# KiCad board pcb.kicad_pcb (continued)
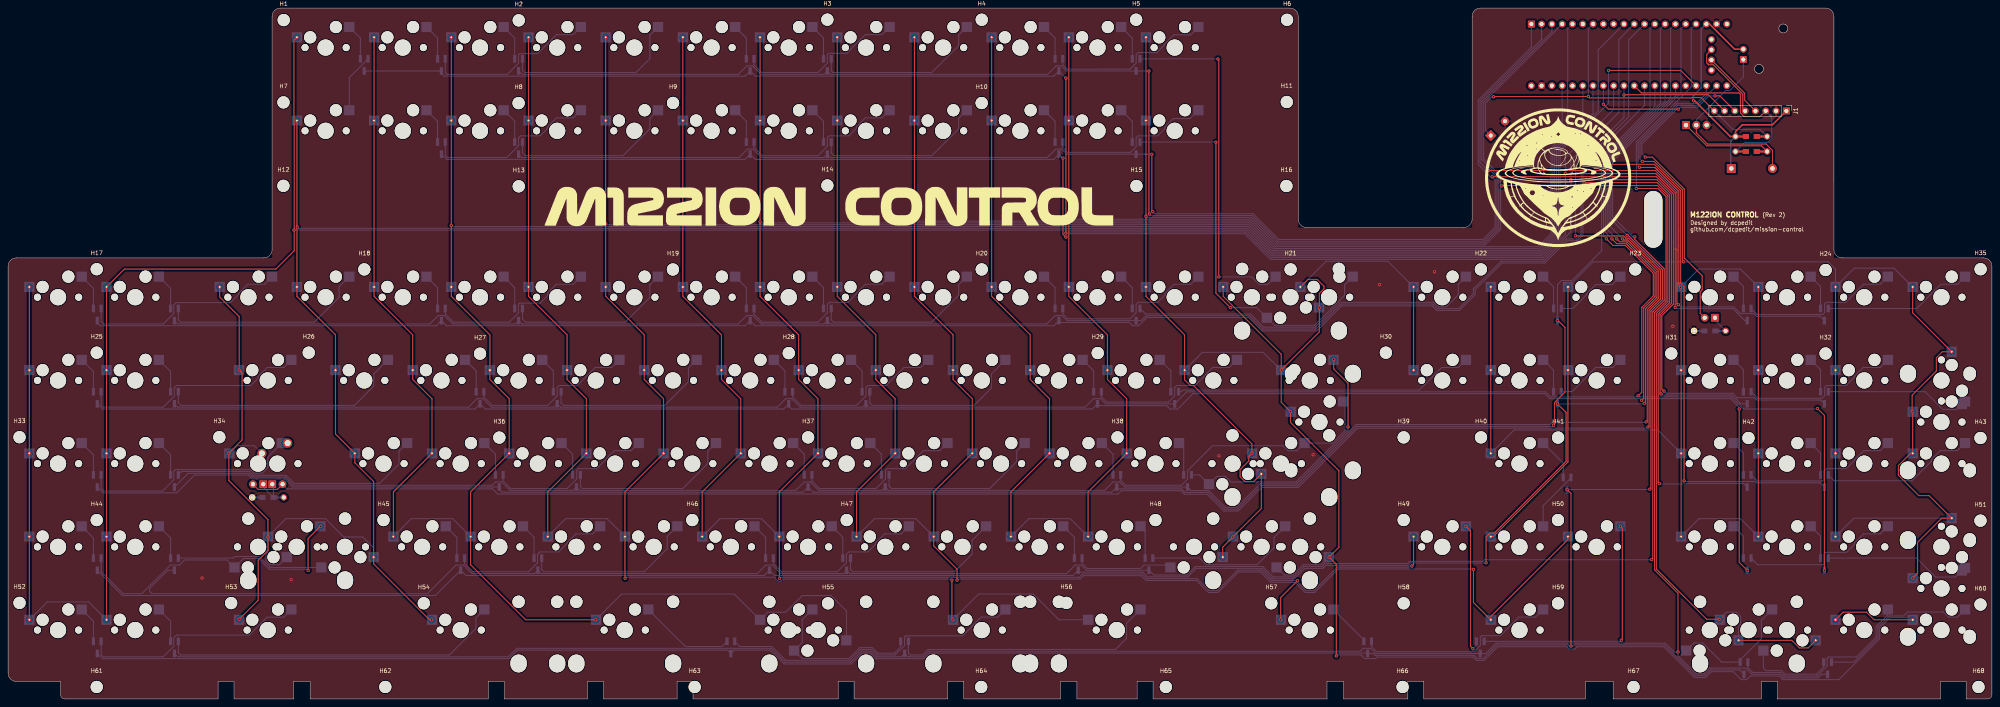
[diagram p0: board, top side]
## Footprints (pads in the part's own frame, mm; a bottom-side part is the same pattern mirrored in y, then rotated) (continued)
MXOnly-2U-Hotswap
  round 3.048 hole 3.048 unplated: (-11.938,6.985) (11.938,6.985)
  oval 3.988x4.388 hole 3.988x4.388 unplated: (-11.938,-8.255) (11.938,-8.255)
  round 1.75 hole 1.75 unplated: (-5.08,0) (5.08,0)
  round 3 hole 3 unplated: (-3.81,2.54) (2.54,5.08)
  round 3.988 hole 3.988 unplated: (0,0)
  rect 2.55x2.5 smd far side: 1(-7.085,2.54) 2(5.842,5.08)
MXOnly-2U-Hotswap-ReversedStabilizers
  oval 3.988x4.388 hole 3.988x4.388 unplated: (-11.938,8.255) (11.938,8.255)
  round 3.048 hole 3.048 unplated: (-11.938,-6.985) (11.938,-6.985)
  round 1.75 hole 1.75 unplated: (-5.08,0) (5.08,0)
  round 3 hole 3 unplated: (-3.81,2.54) (2.54,5.08)
  round 3.988 hole 3.988 unplated: (0,0)
  rect 2.55x2.5 smd far side: 1(-7.085,2.54) 2(5.842,5.08)
MXOnly-2U-Hotswap-ReversedVerticalStabilizers
  oval 3.988x4.388 hole 3.988x4.388 unplated: (-8.255,11.938) (-8.255,-11.938)
  round 1.75 hole 1.75 unplated: (-5.08,0) (5.08,0)
  round 3 hole 3 unplated: (-3.81,2.54) (2.54,5.08)
  round 3.988 hole 3.988 unplated: (0,0)
  oval 3.048x3.448 hole 3.048x3.448 unplated: (6.985,11.938) (6.985,-11.938)
  rect 2.55x2.5 smd far side: 1(-7.085,2.54) 2(5.842,5.08)
MXOnly-7U-Hotswap
  round 3.048 hole 3.048 unplated: (-57.15,6.985) (57.15,6.985)
  oval 3.988x4.388 hole 3.988x4.388 unplated: (-57.15,-8.255) (57.15,-8.255)
  round 1.75 hole 1.75 unplated: (-5.08,0) (5.08,0)
  round 3 hole 3 unplated: (-3.81,2.54) (2.54,5.08)
  round 3.988 hole 3.988 unplated: (0,0)
  rect 2.55x2.5 smd far side: 1(-7.085,2.54) 2(5.842,5.08)
MXOnly-10U-Hotswap-ReversedStabilizers
  oval 3.988x4.388 hole 3.988x4.388 unplated: (-66.675,8.255) (66.675,8.255)
  round 3.048 hole 3.048 unplated: (-66.675,-6.985) (66.675,-6.985)
MXOnly-ISO-Hotswap
  oval 3.048x3.448 hole 3.048x3.448 unplated: (-6.985,11.938) (-6.985,-11.938)
  round 1.75 hole 1.75 unplated: (-5.08,0) (5.08,0)
  round 3 hole 3 unplated: (-3.81,2.54) (2.54,5.08)
  round 3.988 hole 3.988 unplated: (0,0)
  oval 3.988x4.388 hole 3.988x4.388 unplated: (8.255,11.938) (8.255,-11.938)
  rect 2.55x2.5 smd far side: 1(-7.085,2.54) 2(5.842,5.08)
PinHeader_1x02_P2.54mm_Vertical
  rect 1.7x1.7 hole 1: 1(0,0)
  oval 1.7x1.7 hole 1: 2(0,-2.54)
PinHeader_1x08_P2.54mm_Vertical
  rect 1.7x1.7 hole 1: 1(0,0)
  oval 1.7x1.7 hole 1: 2(0,-2.54) 3(0,-5.08) 4(0,-7.62) 5(0,-10.16) 6(0,-12.7) 7(0,-15.24) 8(0,-17.78)
Resistor-Hybrid
  rect 1.5x1.2 smd far side: 1(1.35,0) 2(-1.35,0)
  rect 1.5x1.2 smd: 1(1.35,0) 2(-1.35,0)
  rect 2.9x0.5 smd far side: 1(2.5,0) 2(-2.5,0)
  rect 2.9x0.5 smd: 1(2.5,0) 2(-2.5,0)
  round 1.6 hole 1: 1(3.9,0) 2(-3.9,0)
Resistor-Hybrid-Back
  rect 1.5x1.2 smd far side: 1(1.35,0) 2(-1.35,0)
  rect 2.9x0.5 smd far side: 1(2.5,0) 2(-2.5,0)
  round 1.6 hole 1: 1(3.9,0) 2(-3.9,0)
SOT-23_Handsoldering
  rect 1.9x0.8 smd: 1(-1.5,0.95) 2(-1.5,-0.95) 3(1.5,0)
TO-220-3_Vertical
  rect 1.905x2 hole 1.1: 1(0,0)
  oval 1.905x2 hole 1.1: 2(2.54,0) 3(5.08,0)
YAAJ_WeAct_BlackPill_SWD_2
  rect 1.7x1.7 hole 1: 1(0,0)
  round 1.7 hole 1: 2(0,-2.54) 3(0,-5.08) 4(0,-7.62) 5(0,-10.16) 6(0,-12.7) 7(0,-15.24) 8(0,-17.78) 9(0,-20.32) 10(0,-22.86) 11(0,-25.4) 12(0,-27.94) 13(0,-30.48) 14(0,-33.02) 15(0,-35.56) 16(0,-38.1) 17(0,-40.64) 18(0,-43.18) 19(0,-45.72) 20(0,-48.26) 21(15.24,-48.26) 22(15.24,-45.72) 23(15.24,-43.18) 24(15.24,-40.64) 25(15.24,-38.1) 26(15.24,-35.56) 27(15.24,-33.02) 28(15.24,-30.48) 29(15.24,-27.94) 30(15.24,-25.4) 31(15.24,-22.86) 32(15.24,-20.32) 33(15.24,-17.78) 34(15.24,-15.24) 35(15.24,-12.7) 36(15.24,-10.16) 37(15.24,-7.62) 38(15.24,-5.08) 39(15.24,-2.54) 40(15.24,0) 41(11.432,-44.449) 42(8.892,-44.449) 43(6.352,-44.449) 44(3.812,-44.449)

## Nets
+5V: 1N1.1 J1.1 J2.2 R3.1 U1.18
GND: BZ1.2 J1.2 R1.2 R2.2 TIP1.3 U1.19 U1.39
BL_BUZ: BZ1.1 J1.8 R3.2 U1.7
COL0: MX000.1 MX020.1 MX030.1 MX040.1 MX050.1 MX060.1 MX090.1 MX100.1 MX110.1 MX120.1 MX130.1 U1.24
COL1: MX001.1 MX021.1 MX031.1 MX041.1 MX041.125.1 MX051.1 MX051.125.1 MX061.1 MX091.1 MX101.1 MX111.1 MX121.1 MX131.1 U1.10
COL2: MX002.1 MX012.1 MX022.1 MX032.1 MX042.1 MX052.1 MX062.1 MX072.1 MX082.1 MX092.1 MX102.1 MX112.1 MX122.1 MX132.1 MX132.225.1 U1.34
COL3: MX003.1 MX013.1 MX023.1 MX033.1 MX043.1 MX053.1 MX063.1 MX073.1 MX083.1 MX093.1 MX103.1 MX113.1 MX123.1 MX133.1 U1.35
COL4: MX004.1 MX014.1 MX024.1 MX034.1 MX044.1 MX054.1 MX064.1 MX074.1 MX084.1 MX094.1 MX104.1 MX114.1 MX124.1 MX134.1 U1.5
COL5: MX005.1 MX015.1 MX025.1 MX035.1 MX045.1 MX055.1 MX065.1 MX075.1 MX085.1 MX095.1 MX105.1 MX115.1 MX125.1 MX135.1 U1.37
COL6: MX006.1 MX016.1 MX026.1 MX036.1 MX046.1 MX056.1 MX066.1 MX066.100.1 MX076.1 MX086.1 MX096.1 MX106.1 MX116.1 MX126.1 MX136.1 U1.4
COL7: MX007.1 MX017.1 MX027.1 MX037.1 MX047.1 MX047.200.1 MX057.1 MX067.1 MX077.1 MX087.1 MX087.200.1 MX097.1 MX107.1 MX117.1 MX117.100.1 MX127.1 MX127.175.1 MX127.175.2 MX137.1 U1.3
COL8: MX008.1 MX018.1 MX028.1 MX038.1 MX048.1 MX058.1 MX068.1 MX078.1 MX088.1 MX098.1 MX108.1 U1.23
COL9: MX009.1 MX019.1 MX029.1 MX039.1 MX049.1 MX059.1 MX069.1 MX079.1 MX089.1 MX089.100.1 MX099.1 MX109.1 MX109.100.1 U1.22
CS_SOL: J1.3 R4.1 U1.30
DC: J1.5 U1.43
MOSI_NUM: J1.6 MX008.3 U1.33
ROW0: D1.3 D12.3 D26.3 D40.3 D54.3 U1.32
ROW1: D13.3 D27.3 D41.3 D55.3 U1.11
ROW2: D2.3 D14.3 D28.3 D42.3 D56.3 U1.29
ROW3: D3.3 D15.3 D29.3 D43.3 D57.3 U1.14
ROW4: D4.3 D16.3 D30.3 D44.3 D58.3 U1.13
ROW5: D5.3 D17.3 D31.3 D45.3 D59.3 U1.27
ROW6: D6.3 D18.3 D32.3 D46.3 D60.3 U1.26
ROW7: D19.3 D33.3 D47.3 D61.3 U1.2
ROW8: D20.3 D34.3 D48.3 D62.3 U1.1
ROW9: D7.3 D21.3 D35.3 D49.3 D63.3 U1.12
ROW10: D8.3 D22.3 D36.3 D50.3 D64.3 U1.28
ROW11: D9.3 D23.3 D37.3 D51.3 U1.15
ROW12: D10.3 D24.3 D38.3 D52.3 U1.16
ROW13: D11.3 D25.3 D39.3 D53.3 U1.17
RST: J1.4 U1.42
SCK_CAPS: J1.7 MX041.3 MX041.125.3 U1.31
Net-(1N1-A): 1N1.2 J2.1 TIP1.2
Net-(MX000-ROW): D1.1 MX000.2
Net-(MX001-ROW): D1.2 MX001.2
Net-(MX002-ROW): D12.1 MX002.2
Net-(MX003-ROW): D12.2 MX003.2
Net-(MX004-ROW): D26.1 MX004.2
Net-(MX005-ROW): D26.2 MX005.2
Net-(MX006-ROW): D40.1 MX006.2
Net-(MX007-ROW): D40.2 MX007.2
Net-(MX008-LEDGND): MX008.4 R2.1
Net-(MX008-ROW): D54.1 MX008.2
Net-(MX009-ROW): D54.2 MX009.2
Net-(MX012-ROW): D13.1 MX012.2
Net-(MX013-ROW): D13.2 MX013.2
Net-(MX014-ROW): D27.1 MX014.2
Net-(MX015-ROW): D27.2 MX015.2
Net-(MX016-ROW): D41.1 MX016.2
Net-(MX017-ROW): D41.2 MX017.2
Net-(MX018-ROW): D55.1 MX018.2
Net-(MX019-ROW): D55.2 MX019.2
Net-(MX020-ROW): D2.1 MX020.2
Net-(MX021-ROW): D2.2 MX021.2
Net-(MX022-ROW): D14.1 MX022.2
Net-(MX023-ROW): D14.2 MX023.2
Net-(MX024-ROW): D28.1 MX024.2
Net-(MX025-ROW): D28.2 MX025.2
Net-(MX026-ROW): D42.1 MX026.2
Net-(MX027-ROW): D42.2 MX027.2
Net-(MX028-ROW): D56.1 MX028.2
Net-(MX029-ROW): D56.2 MX029.2
Net-(MX030-ROW): D3.1 MX030.2
Net-(MX031-ROW): D3.2 MX031.2
Net-(MX032-ROW): D15.1 MX032.2
Net-(MX033-ROW): D15.2 MX033.2
Net-(MX034-ROW): D29.1 MX034.2
Net-(MX035-ROW): D29.2 MX035.2
Net-(MX036-ROW): D43.1 MX036.2
Net-(MX037-ROW): D43.2 MX037.2
Net-(MX038-ROW): D57.1 MX038.2
Net-(MX039-ROW): D57.2 MX039.2
Net-(MX040-ROW): D4.1 MX040.2
Net-(MX041-LEDGND): MX041.4 MX041.125.4 R1.1
Net-(MX041-ROW): D4.2 MX041.2 MX041.125.2
Net-(MX042-ROW): D16.1 MX042.2
Net-(MX043-ROW): D16.2 MX043.2
Net-(MX044-ROW): D30.1 MX044.2
Net-(MX045-ROW): D30.2 MX045.2
Net-(MX046-ROW): D44.1 MX046.2
Net-(MX047-ROW): D44.2 MX047.2 MX047.200.2
Net-(MX048-ROW): D58.1 MX048.2
Net-(MX049-ROW): D58.2 MX049.2
Net-(MX050-ROW): D5.1 MX050.2
Net-(MX051-ROW): D5.2 MX051.2 MX051.125.2
Net-(MX052-ROW): D17.1 MX052.2
Net-(MX053-ROW): D17.2 MX053.2
Net-(MX054-ROW): D31.1 MX054.2
Net-(MX055-ROW): D31.2 MX055.2
Net-(MX056-ROW): D45.1 MX056.2
Net-(MX057-ROW): D45.2 MX057.2
Net-(MX058-ROW): D59.1 MX058.2
Net-(MX059-ROW): D59.2 MX059.2
Net-(MX060-ROW): D6.1 MX060.2
Net-(MX061-ROW): D6.2 MX061.2
Net-(MX062-ROW): D18.1 MX062.2
Net-(MX063-ROW): D18.2 MX063.2
Net-(MX064-ROW): D32.1 MX064.2
Net-(MX065-ROW): D32.2 MX065.2
Net-(MX066-ROW): D46.1 MX066.2 MX066.100.2
Net-(MX067-ROW): D46.2 MX067.2
Net-(MX068-ROW): D60.1 MX068.2
Net-(MX069-ROW): D60.2 MX069.2
Net-(MX072-ROW): D19.1 MX072.2
Net-(MX073-ROW): D19.2 MX073.2
Net-(MX074-ROW): D33.1 MX074.2
Net-(MX075-ROW): D33.2 MX075.2
Net-(MX076-ROW): D47.1 MX076.2
Net-(MX077-ROW): D47.2 MX077.2
Net-(MX078-ROW): D61.1 MX078.2
Net-(MX079-ROW): D61.2 MX079.2
Net-(MX082-ROW): D20.1 MX082.2
Net-(MX083-ROW): D20.2 MX083.2
Net-(MX084-ROW): D34.1 MX084.2
Net-(MX085-ROW): D34.2 MX085.2
Net-(MX086-ROW): D48.1 MX086.2
Net-(MX087-ROW): D48.2 MX087.2 MX087.200.2
Net-(MX088-ROW): D62.1 MX088.2
Net-(MX089-ROW): D62.2 MX089.2 MX089.100.2
Net-(MX090-ROW): D7.1 MX090.2
Net-(MX091-ROW): D7.2 MX091.2
Net-(MX092-ROW): D21.1 MX092.2
Net-(MX093-ROW): D21.2 MX093.2
Net-(MX094-ROW): D35.1 MX094.2
Net-(MX095-ROW): D35.2 MX095.2
Net-(MX096-ROW): D49.1 MX096.2
Net-(MX097-ROW): D49.2 MX097.2
Net-(MX098-ROW): D63.1 MX098.2
Net-(MX099-ROW): D63.2 MX099.2
Net-(MX100-ROW): D8.1 MX100.2
Net-(MX101-ROW): D8.2 MX101.2
Net-(MX102-ROW): D22.1 MX102.2
Net-(MX103-ROW): D22.2 MX103.2
Net-(MX104-ROW): D36.1 MX104.2
Net-(MX105-ROW): D36.2 MX105.2
Net-(MX106-ROW): D50.1 MX106.2
Net-(MX107-ROW): D50.2 MX107.2
Net-(MX108-ROW): D64.1 MX108.2
Net-(MX109-ROW): D64.2 MX109.2 MX109.100.2
Net-(MX110-ROW): D9.1 MX110.2
Net-(MX111-ROW): D9.2 MX111.2
Net-(MX112-ROW): D23.1 MX112.2
Net-(MX113-ROW): D23.2 MX113.2
Net-(MX114-ROW): D37.1 MX114.2
Net-(MX115-ROW): D37.2 MX115.2
Net-(MX116-ROW): D51.1 MX116.2
Net-(MX117-ROW): D51.2 MX117.2 MX117.100.2
Net-(MX120-ROW): D10.1 MX120.2
Net-(MX121-ROW): D10.2 MX121.2
Net-(MX122-ROW): D24.1 MX122.2
Net-(MX123-ROW): D24.2 MX123.2
Net-(MX124-ROW): D38.1 MX124.2
Net-(MX125-ROW): D38.2 MX125.2
Net-(MX126-ROW): D52.1 MX126.2
Net-(MX127-ROW): D52.2 MX127.2
Net-(MX130-ROW): D11.1 MX130.2
Net-(MX131-ROW): D11.2 MX131.2
Net-(MX132-ROW): D25.1 MX132.2 MX132.225.2
Net-(MX133-ROW): D25.2 MX133.2
Net-(MX134-ROW): D39.1 MX134.2
Net-(MX135-ROW): D39.2 MX135.2
Net-(MX136-ROW): D53.1 MX136.2
Net-(MX137-ROW): D53.2 MX137.2
Net-(TIP1-B): R4.2 TIP1.1

Pads without a net: U1 6 8 9 20 21 25 36 38 40 41 44

## Via types
v1: diameter 0.8, hole 0.4, Top to Bottom, 112 vias

## Routing (per net, layer and track width the routed paths; a pad name or vN(x,y) marks a point on that pad's centre or on a via; arc(x,y) is an arc through that point)
+5V: length 70.4
  Top w0.381: v1(415.93,147.79) 416.22,147.79 425.05,138.96 R3.1 426.32,140.19 427.99,141.86 435.43,141.86 J1.1 ; J2.2 426.11,160.52 419.89,166.75 419.1,166.75
  Bottom w0.381: 1N1.1 425.13,131.2 425.13,137.77 R3.1 ; 419.1,166.75 417.86,165.51 417.86,151 415.93,149.07 v1(415.93,147.79)
GND:
  vias: v1(47.88,29.84) v1(69.85,29.46) v1(298.83,60.07) v1(322.07,60.33) v1(338.45,102.36) v1(352.04,105.54) v1(410.84,92.08)
BL_BUZ: length 101.3
  Top w0.25: v1(366.59,148.78) 366.66,148.84 v1(389.99,148.84) 390.33,148.5 415.61,148.5 415.7,148.59 417.77,148.59 J1.8
  Bottom w0.25: J1.8 425.65,140.72 432.36,140.72 R3.2 ; v1(389.99,148.84) 389.99,165.58 391.16,166.75 ; BZ1.1 364.61,140.49 364.61,147.18 366.2,148.78 v1(366.59,148.78)
COL0: length 676.7
  Top w0.25: MX020.1 MX030.1 MX040.1 MX050.1 MX060.1 ; MX130.1 MX120.1 MX110.1 MX100.1 MX090.1 28.71,106.2 66.07,106.2 70.61,110.74 70.61,115.82 ; U1.24 412.79,155.28 v1(394.97,155.28) ; 70.61,115.82 70.61,141.99 70.55,142.05 70.55,162.74 MX000.1 ; 70.61,115.82 v1(70.55,115.82)
  Bottom w0.25: MX060.1 9.66,23.96 19.88,23.96 MX130.1 ; v1(394.97,155.28) 394.97,147.18 383.03,135.25 383.03,114.04 378.47,109.48 311.9,109.48 305.56,115.82 v1(70.55,115.82)
COL1: length 660.6
  Top w0.25: MX001.1 71.27,116.84 ; 71.27,116.84 MX091.1 71.27,99.49 80.8,89.96 MX101.1 80.8,65.43 MX111.1 85.56,58.37 90.21,53.72 MX121.1 90.21,33.35 104,19.56 v1(104.52,19.56) ; 71.27,116.84 71.27,116.64 v1(71.37,116.55) ; v1(57.02,19.69) 61.72,24.38 61.72,34.25 64.14,36.66 v1(64.14,40.01) 64.14,44.29 54.48,53.95 v1(54.48,60.71) 57.74,63.96 57.74,80.56 v1(57.02,81.28) 57.02,94.49 52.22,99.29 MX021.1
  Bottom w0.25: v1(71.37,116.55) 71.64,116.27 305.75,116.27 312.09,109.93 378.29,109.93 382.58,114.23 382.58,135.43 392.43,145.28 392.43,160.4 398.78,166.75 ; v1(64.14,40.01) 64.14,36.32 63.63,35.81 63.63,34.16 64.64,33.15 66.94,33.15 68.83,35.05 ; MX121.1 90.21,37.33 87.53,40.01 82.88,40.01 78.36,44.52 68.55,44.52 MX051.1 ; MX041.125.1 56.48,62.54 60.77,62.54 MX041.1
COL2: length 729.3
  Top w0.25: 109.37,116.71 v1(109.37,117) ; 109.37,116.71 MX082.1 MX072.1 ; 109.37,116.71 MX092.1 109.37,99.49 118.9,89.96 MX102.1 118.9,78.93 123.66,74.16 MX112.1 114.14,51.14 MX122.1 114.14,33.16 127.74,19.56 v1(145.03,19.56) ; MX002.1 MX012.1 MX022.1 90.32,99.49 99.85,89.96 MX032.1 99.85,78.93 104.61,74.16 MX042.1 95.09,51.14 MX052.1
  Bottom w0.25: v1(145.03,19.56) 151.37,25.89 179.23,25.89 MX132.1 187.45,21.42 191.88,21.42 195.98,25.53 203.1,25.53 206.89,21.73 MX132.225.1 ; MX052.1 99.5,44.52 109.72,44.52 MX122.1 ; v1(109.37,117) 109.65,116.72 305.94,116.72 312.28,110.38 378.1,110.38 382.13,114.42 382.13,135.62 391.16,144.65 391.16,151.51
COL3: length 708.2
  Top w0.25: MX073.1 MX083.1 147.47,117.09 ; v1(233.17,19.56) 232.92,19.81 v1(232.92,29.34) ; 147.47,117.09 v1(147.47,117.45) ; 147.47,117.09 MX093.1 147.47,99.49 157,89.96 MX103.1 157,78.93 161.76,74.16 MX113.1 152.24,51.14 MX123.1 152.24,29.82 v1(152.27,29.79) ; MX003.1 MX013.1 MX023.1 128.42,99.49 137.95,89.96 MX033.1 137.95,78.93 142.71,74.16 MX043.1 133.19,51.14 MX053.1
  Bottom w0.25: v1(232.92,29.34) 232.64,29.61 191.22,29.61 190.67,29.06 190.07,29.06 189.07,30.06 152.55,30.06 v1(152.27,29.79) ; MX123.1 147.82,44.52 137.6,44.52 MX053.1 ; v1(233.17,19.56) 239.51,25.89 253.01,25.89 259.35,19.55 MX133.1 ; v1(147.47,117.45) 147.75,117.17 306.12,117.17 312.46,110.83 377.91,110.83 381.68,114.6 381.68,135.8 388.62,142.74 U1.35
COL4: length 737.7
  Top w0.25: v1(190.37,29.79) 190.34,29.82 MX124.1 190.34,51.14 MX114.1 199.86,74.16 195.1,78.93 MX104.1 195.1,89.96 185.57,99.49 MX094.1 185.57,117.48 ; v1(346.46,32.83) 346.86,33.23 MX134.1 ; v1(318.22,29.22) 314.07,25.07 v1(314.07,19.56) ; 185.57,117.48 v1(185.57,117.9) ; 185.57,117.48 MX084.1 MX074.1 ; MX054.1 171.29,51.14 MX044.1 180.81,74.16 176.05,78.93 MX034.1 176.05,89.96 166.52,99.49 MX024.1 MX014.1 MX004.1
  Bottom w0.25: MX054.1 175.7,44.52 185.92,44.52 MX124.1 ; v1(185.57,117.9) 185.85,117.62 306.31,117.62 312.65,111.28 377.73,111.28 381.23,114.79 381.23,135.99 384.9,139.66 384.9,165.58 386.08,166.75 ; v1(190.37,29.79) 190.65,30.06 264.37,30.06 265.2,30.89 279.82,30.89 281,29.71 293.45,29.71 296.42,26.75 298.38,26.75 303.44,31.8 309.26,31.8 311.81,29.26 318.17,29.26 v1(318.22,29.22) 318.22,28.83 320.3,26.75 322.26,26.75 328.07,32.55 345.74,32.55 346.01,32.83 v1(346.46,32.83)
COL5: length 680.1
  Top w0.25: MX075.1 MX085.1 v1(223.67,118.36) MX095.1 223.67,99.49 233.2,89.96 MX105.1 233.2,78.93 237.96,74.16 MX115.1 228.44,51.14 MX125.1 228.44,37.81 234.19,32.06 v1(234.19,29.34) ; v1(361.64,32) 361.64,23.82 MX065.1 365.91,20.34 384.96,39.39 MX135.1 ; MX055.1 209.39,51.14 MX045.1 218.91,74.16 214.15,78.93 MX035.1 214.15,89.96 204.62,99.49 MX025.1 MX015.1 MX005.1
  Bottom w0.25: v1(234.19,29.34) 234.46,29.61 264.56,29.61 265.38,30.44 279.64,30.44 280.81,29.26 293.27,29.26 296.23,26.3 298.57,26.3 303.63,31.35 309.07,31.35 311.62,28.81 317.6,28.81 320.11,26.3 322.45,26.3 328.25,32.1 361.54,32.1 v1(361.64,32) ; MX055.1 213.8,44.52 224.02,44.52 MX125.1 ; U1.37 383.54,138.94 383.54,138.94 380.78,136.18 380.78,114.98 377.54,111.73 312.84,111.73 306.5,118.07 223.96,118.07 v1(223.67,118.36)
COL6: length 650.5
  Top w0.25: 261.77,118.36 MX086.1 MX076.1 ; 261.77,118.36 MX096.1 261.77,99.49 271.3,89.96 MX106.1 271.3,78.93 276.06,74.16 MX116.1 266.54,51.14 MX126.1 ; 261.77,118.36 v1(261.77,118.8) ; v1(368.61,126.75) 368.7,126.84 407.07,126.84 409.62,124.29 409.62,98.1 406.78,95.26 406.78,32.09 419.19,19.69 v1(422.27,19.69) ; MX066.100.1 440.18,14.47 442.06,12.59 444.24,12.59 MX136.1 ; MX006.1 MX016.1 MX026.1 242.72,99.49 252.25,89.96 MX036.1 252.25,78.93 257.01,74.16 MX046.1 247.49,51.14 MX056.1
  Bottom w0.25: MX056.1 251.9,44.52 262.12,44.52 MX126.1 ; v1(261.77,118.8) 262.05,118.52 306.68,118.52 313.02,112.18 364.54,112.18 368.34,115.99 368.34,126.47 v1(368.61,126.75) 368.34,127.02 368.34,129.23 364.16,133.41 364.16,147.37 U1.4 ; v1(422.27,19.69) 424.01,21.42 426.5,21.42 427.57,20.36 427.57,18.42 427.06,17.92 MX066.100.1
COL7: length 716
  Top w0.25: 280.82,119 v1(280.82,119.25) ; 280.82,119 MX027.1 280.82,99.49 290.35,89.96 MX037.1 290.35,78.84 291.75,77.44 292.53,77.44 306.96,63.01 v1(306.96,60.71) 306.2,59.94 306.2,58.78 304.04,56.62 304.04,54.91 305.23,53.71 307.41,53.71 MX117.100.1 309.28,47.03 v1(302.26,40.01) 299.76,37.5 MX057.1 ; 280.82,119 MX017.1 MX007.1 ; 318.92,101.79 320.8,103.66 323.06,103.66 324.74,101.98 324.74,101.33 323.6,100.19 v1(323.6,96.65) 323.6,90.68 v1(314.2,81.28) ; v1(314.2,81.28) 314.2,85.16 299.87,99.49 MX077.1 ; v1(314.2,81.28) 314.2,73.28 v1(316.48,70.99) 316.48,68.32 328.42,56.38 328.42,37.47 v1(326.01,35.05) 327.79,33.27 v1(327.79,10.6) ; MX137.1 460.5,19.55 458.63,21.42 452.87,21.42 MX067.1 ; MX107.1 MX097.1
  Bottom w0.25: MX037.1 294.76,85.64 309.75,85.64 MX117.1 ; v1(327.79,10.6) 328.06,10.87 333.88,10.87 334.8,9.95 337.44,9.95 337.82,10.33 361.58,10.33 362.4,9.5 364.23,9.5 367.6,12.88 384.68,12.88 385.23,12.33 386.67,12.33 387.22,12.88 408.62,12.88 416.21,5.29 418.92,5.29 420.35,6.72 425.77,6.72 427.73,4.76 429.06,4.76 429.94,5.64 437.07,5.64 437.95,4.76 451.8,4.76 461.91,14.87 461.91,17.53 464.44,20.06 469.53,20.06 MX137.1 ; MX127.175.2 314.91,30.61 317.09,30.61 319.64,33.15 324.08,33.15 MX127.175.1 ; U1.3 381,164.85 363.71,147.55 363.71,133.22 367.89,129.04 367.89,116.17 364.35,112.63 313.21,112.63 306.87,118.97 281.08,118.97 280.82,119.23 v1(280.82,119.25) ; 318.92,101.79 325.27,108.13 340.51,108.13 MX097.1
COL8: length 328.7
  Top w0.25: 407.04,130.69 412.32,125.41 412.32,102.62 412.32,102.62 412.32,102.16 v1(412.75,101.73) 412.89,101.59 MX018.1 MX028.1 MX038.1 ; 407.04,130.69 406.45,131.28 ; 407.04,130.69 406.41,131.32 v1(402.59,131.32) ; MX048.1 MX058.1 MX068.1 ; MX078.1 MX088.1 MX098.1 MX108.1
  Bottom w0.25: MX078.1 427.53,106.2 417.23,106.2 v1(412.75,101.73) ; MX108.1 427.53,44.52 417.31,44.52 MX038.1 ; 419.1,151.51 419.1,149.61 416.56,147.06 411.87,147.06 402.28,137.47 402.28,131.63 v1(402.59,131.32) ; MX028.1 407.12,66.44 371.68,66.44 MX068.1
COL9: length 414.7
  Top w0.25: MX039.1 MX029.1 MX019.1 MX009.1 ; MX069.1 366.53,40.11 384.96,58.54 MX059.1 MX049.1 ; v1(403.31,132.81) 406.2,132.81 413.22,125.78 413.22,108.27 v1(413.5,108) ; v1(470.03,29.84) 471.24,31.06 471.24,38.68 477.22,44.65 MX109.100.1 474.09,50.23 471.56,50.23 466.5,55.29 466.5,57.65 469.52,60.67 MX099.1 470.04,70.85 v1(469.9,70.99) 469.9,75.06 475.88,81.03 475.88,84.29 477.36,85.77 MX089.100.1 470.04,95.4 MX079.1
  Bottom w0.25: MX039.1 455.54,44.65 MX109.100.1 ; U1.22 416.74,146.61 412.06,146.61 402.73,137.28 402.73,133.39 v1(403.31,132.81) ; 413.64,108 v1(413.5,108) ; 413.64,108 391.16,108 MX049.1 ; 413.64,108 449.17,108 450.99,106.18 MX009.1 455.63,106.43 465.4,106.43 MX079.1
CS_SOL: length 56.6
  Top w0.25: J1.3 432.38,143.89 428.43,143.89 427.52,144.8 427.52,149.38 427.17,149.73 403.1,149.73 U1.30
  Bottom w0.25: R4.1 428.61,137.54 434.34,137.54 435.25,138.45 435.25,143.82 J1.3
DC: length 20.5
  Top w0.25: J1.5 428.12,145.87 428.12,149.42 420.86,156.68 419.69,156.68 ; 419.51,156.87 419.19,157.18 419.19,159.22 420.37,160.4 ; 419.51,156.87 419.69,156.68 ; 419.51,156.87 419.69,156.68
MOSI_NUM: length 103.8
  Top w0.25: v1(393.7,146.94) 394.92,145.72 v1(412.19,145.72) ; v1(421.26,149.01) 422.44,149.01 J1.6 ; v1(404.04,133.86) 405.78,133.86 413.67,125.96 413.67,108.97 418.08,104.55 418.08,101.06 417.61,100.58 417.61,95.27 MX008.3
  Bottom w0.25: v1(404.04,133.86) 403.18,134.72 403.18,137.1 411.8,145.72 v1(412.19,145.72) 412.63,146.16 416.93,146.16 419.77,149.01 v1(421.26,149.01) ; v1(393.7,146.94) 393.7,151.51
ROW0: length 461.3
  Top w0.25: v1(411.42,96.75) 411.42,111.19 411.42,111.19 411.42,125.03 406.66,129.79 v1(384.3,129.79) ; v1(261.05,153.42) v1(261.05,115.1)
  Bottom w0.25: D54.3 428.61,93.47 425.65,96.43 411.73,96.43 v1(411.42,96.75) ; D1.3 D12.3 106.93,154.6 107.66,153.87 181.86,153.87 D26.3 184.41,153.87 258.06,153.87 259.33,155.14 259.33,155.14 259.33,155.14 D40.3 259.33,155.13 v1(261.05,153.42) ; v1(261.05,115.1) 261.32,115.37 305.38,115.37 311.72,109.03 378.66,109.03 384.3,114.68 v1(384.3,129.79) 384.3,133.73 396.24,145.67 U1.32
ROW1: length 463.2
  Top w0.25: v1(260.32,133.6) 260.32,114.8 261.02,114.1 v1(261.05,114.1) ; v1(385.67,128.27) 385.68,128.29 406.9,128.29 410.52,124.67 410.52,97.72 407.68,94.89 407.68,75.55 407.88,75.36 v1(407.96,75.36)
  Bottom w0.25: D55.3 427.6,72.91 425.43,75.08 408.23,75.08 v1(407.96,75.36) ; v1(261.05,114.1) 261.08,114.1 261.9,114.92 305.19,114.92 311.53,108.58 378.85,108.58 385.67,115.41 v1(385.67,128.27) 385.67,133.06 397.51,144.91 397.51,162.94 U1.11 ; D13.3 108.21,133.31 181.86,133.31 D27.3 184.41,133.31 258.06,133.31 259.33,134.58 259.33,134.58 259.33,134.58 D41.3 259.34,134.59 v1(260.32,133.6)
ROW2: length 545.6
  Top w0.25: v1(407.51,53.21) 407.23,53.49 407.23,95.07 410.07,97.91 410.07,124.48 406.98,127.56 v1(388.93,127.56)
  Bottom w0.25: D2.3 22,92.92 22.73,92.19 105.66,92.19 D14.3 108.21,92.19 181.86,92.19 D28.3 184.41,92.19 258.06,92.19 D42.3 259.78,93.02 276.68,93.02 277.5,92.19 279,92.19 281.04,94.23 306.19,94.23 309.48,90.94 322.96,90.94 329.12,97.1 351.47,97.1 352.59,95.98 358.16,95.98 362.05,99.87 362.05,101.11 368.63,107.68 379.22,107.68 384.74,113.21 387.29,113.21 388.18,114.1 ; 388.18,114.1 388.66,114.58 ; 388.18,114.1 388.66,114.58 ; 388.66,114.58 388.66,127.29 v1(388.93,127.56) 388.66,127.84 388.66,131.48 403.86,146.69 U1.29 ; D56.3 428.29,53.26 414.27,53.26 414.14,53.12 407.6,53.12 v1(407.51,53.21)
ROW3: length 560.5
  Top w0.25: v1(427.22,71.62) 427.22,33.76 v1(429.2,31.79) ; v1(395.83,113.67) 397,112.49 399.32,112.49 406.47,105.34 406.47,99.4 403.63,96.56 403.63,74.26 v1(403.15,73.78)
  Bottom w0.25: v1(395.83,113.67) 394.19,115.31 394.19,133.58 407.76,147.16 407.76,165.58 408.94,166.75 ; v1(427.22,71.62) 427.22,72.01 425.05,74.18 403.55,74.18 v1(403.15,73.78) 402.76,74.18 380.48,74.18 379.24,75.42 292.42,75.42 288.63,71.63 286.76,71.63 285.94,72.46 269.31,72.46 D43.3 267.58,71.63 193.38,71.63 192.66,72.36 D29.3 191.38,71.63 117.73,71.63 D15.3 115.18,71.63 23.28,71.63 D3.3
ROW4: length 488.9
  Top w0.25: v1(381.38,67.62) 381.64,67.88 381.64,73.21 384.23,75.8 384.23,91.76 382.53,93.47 v1(382.37,93.47)
  Bottom w0.25: 406.4,166.75 405.22,165.58 405.22,145.89 393.29,133.95 393.29,110.76 385.9,103.36 383.36,103.36 382.37,102.37 v1(382.37,93.47) ; v1(381.38,67.62) 381.11,67.34 332.86,67.34 318.21,52.69 309.17,52.69 303.33,46.86 300.27,46.86 296.1,51.02 290.48,51.02 289.61,51.9 274.07,51.9 D44.3 272.35,51.07 198.7,51.07 D30.3 196.15,51.07 121.95,51.07 121.22,51.8 D16.3 70.23,52.35 68.22,54.36 60.2,54.36 59.27,55.29 46,55.29 41.61,50.91 23.44,50.91 D4.3
ROW5: length 516.5
  Top w0.25: v1(403.81,73.03) 404.08,73.3 404.08,96.38 406.92,99.21 406.92,105.53 399.51,112.94 397.73,112.94 v1(397,113.67) ; v1(364.74,33.66) 364.74,39.97 365.72,40.94 366.73,40.94 384.51,58.72 384.51,70.77 v1(382.37,72.91)
  Bottom w0.25: v1(364.74,33.66) 364.64,33.55 346.1,33.55 345.55,33 325.2,33 324.45,32.25 320.01,32.25 317.47,29.71 311.99,29.71 309.45,32.25 293.24,32.25 291.15,30.16 281.18,30.16 280.01,31.34 264.55,31.34 D45.3 262.82,30.51 189.17,30.51 D31.3 186.62,30.51 112.97,30.51 D17.3 105.46,25.55 28.24,25.55 D5.3 ; v1(382.37,72.91) 403.69,72.91 v1(403.81,73.03) ; v1(397,113.67) 394.64,116.03 394.64,133.39 408.94,147.7 U1.27
ROW6: length 591.1
  Top w0.25: v1(399.55,114.56) 399.79,114.56 408.27,106.09 408.27,98.65 405.43,95.82 405.43,52.09 v1(405.16,51.82) ; v1(384.73,51.74) 385.71,50.76 385.71,13.07 v1(385.7,13.05)
  Bottom w0.25: v1(384.73,51.74) 405.08,51.74 v1(405.16,51.82) ; v1(399.55,114.56) 395.54,118.58 395.54,133.02 411.48,148.96 U1.26 ; D46.3 427.32,7.17 420.16,7.17 418.73,5.74 416.4,5.74 408.8,13.33 386.46,13.33 386.19,13.05 v1(385.7,13.05) 385.34,13.05 385.06,13.33 367.42,13.33 364.04,9.95 362.59,9.95 361.77,10.78 337.35,10.78 336.9,11.23 D32.3 335.44,11.32 227.36,11.32 225.99,9.95 214.09,9.95 212.72,11.32 210.76,11.32 208.07,8.64 191.53,8.64 188.12,12.05 179.2,12.05 D18.3 177.55,12.05 125.73,12.05 123.63,9.95 23.28,9.95 D6.3
ROW7: length 458.3
  Top w0.25: v1(365.35,130.56) 406.54,130.56 411.87,125.22 411.87,111 411.87,111 411.87,97.71 v1(412.17,97.41) 412.02,97.55 ; v1(281.65,119.82) 281.55,119.91 v1(281.55,155.15)
  Bottom w0.25: v1(412.17,97.41) 412.69,96.88 425.83,96.88 427.52,95.19 430.79,95.19 431.43,94.55 447.17,94.55 D61.3 ; v1(281.65,119.82) 282.04,119.42 307.06,119.42 313.4,113.08 364.16,113.08 367.44,116.36 367.44,128.86 365.74,130.56 v1(365.35,130.56) 365.25,130.56 363.26,132.55 363.26,147.74 378.46,162.94 378.46,166.75 ; v1(281.55,155.15) 281.55,155.15 D47.3 278.38,155.16 261.16,155.15 259.88,156.42 258.66,156.42 256.56,154.32 203.01,154.32 D33.3 201.36,154.32 185.78,154.32 183.68,156.42 182.33,156.42 180.23,154.32 126.81,154.32 D19.3
ROW8: length 458.6
  Top w0.25: v1(408.67,76.05) 408.58,76.05 408.13,76.5 408.13,94.7 410.97,97.54 410.97,112.9 410.97,112.9 410.97,124.85 406.79,129.03 366.27,129.03 v1(366.25,129.02) ; v1(282.48,120.36) 282.27,120.57 v1(282.27,134.56)
  Bottom w0.25: v1(282.48,120.36) 282.97,119.87 307.24,119.87 313.58,113.53 363.98,113.53 366.99,116.54 366.99,128.28 v1(366.25,129.02) 365.86,129.02 362.81,132.07 362.81,147.93 375.92,161.04 U1.1 ; D20.3 126.81,133.76 180.37,133.76 182.47,135.86 183.86,135.86 185.96,133.76 201.36,133.76 D34.3 203.01,133.76 256.44,133.76 258.54,135.86 260.06,135.86 261.33,134.59 278.36,134.59 278.37,134.58 278.38,134.59 D48.3 282.25,134.59 v1(282.27,134.56) ; v1(408.67,76.05) 409.19,75.53 425.61,75.53 426.78,74.36 426.85,74.42 430.99,74.42 431.57,73.85 447.31,73.85 D62.3
ROW9: length 560
  Top w0.25: v1(388.21,132.08) 406.28,132.08 412.77,125.59 412.77,102.73 413.62,101.89 v1(413.62,53.85)
  Bottom w0.25: U1.12 399.95,162.85 399.95,143.83 v1(388.21,132.08) 388.21,114.77 387.1,113.66 384.56,113.66 379.03,108.13 368.44,108.13 361.6,101.29 361.6,100.06 357.97,96.43 352.77,96.43 351.66,97.55 328.93,97.55 322.78,91.39 309.67,91.39 306.38,94.68 280.85,94.68 279.64,93.47 D49.3 261.33,93.47 260.06,94.74 258.45,94.74 256.35,92.64 203.01,92.64 D35.3 201.36,92.64 185.87,92.64 183.77,94.74 182.25,94.74 180.15,92.64 126.81,92.64 D21.3 125.16,92.64 109.73,92.64 107.63,94.74 106.17,94.74 104.07,92.64 41.88,92.64 D7.3 ; v1(413.62,53.85) 413.76,53.71 431.15,53.71 431.46,53.4 447.2,53.4 D63.3
ROW10: length 546.3
  Top w0.25: v1(394.46,113.67) 396.09,112.04 399.14,112.04 406.02,105.16 406.02,99.59 403.18,96.75 403.18,75.78 402.31,74.91 v1(402.26,74.91) ; v1(448.25,31.79) 448.25,70.04 v1(446.53,71.76)
  Bottom w0.25: v1(446.53,71.76) 446.41,71.63 428.24,71.63 425.24,74.63 402.54,74.63 v1(402.26,74.91) 401.99,74.63 380.66,74.63 379.42,75.87 290.87,75.87 D50.3 270.88,72.91 269.61,74.18 267.86,74.18 265.76,72.08 212.53,72.08 D36.3 210.88,72.08 195.48,72.08 193.38,74.18 191.91,74.18 189.81,72.08 136.33,72.08 D22.3 134.68,72.08 119.28,72.08 117.18,74.18 115.71,74.18 113.61,72.08 41.88,72.08 D8.3 ; v1(394.46,113.67) 393.74,114.39 393.74,133.77 406.4,146.43 406.4,151.51
ROW11: length 494.5
  Top w0.25: v1(404.26,68.45) 404.53,68.73 404.53,96.19 407.37,99.03 407.37,105.72 399.7,113.39 398.68,113.39 v1(398.4,113.67)
  Bottom w0.25: v1(404.26,68.45) 404.14,68.34 381.08,68.34 380.53,67.79 332.68,67.79 318.03,53.14 308.98,53.14 303.15,47.31 300.46,47.31 296.29,51.47 291.96,51.47 D51.3 275.57,52.35 274.29,53.62 272.7,53.62 270.6,51.52 217.3,51.52 D37.3 215.65,51.52 200.06,51.52 197.96,53.62 196.5,53.62 194.4,51.52 141.1,51.52 D23.3 139.45,51.52 123.86,51.52 121.76,53.62 120.3,53.62 119.47,52.8 70.42,52.8 68.41,54.81 60.39,54.81 59.46,55.74 44.45,55.74 D9.3 ; 411.48,166.75 410.31,165.58 410.31,148.42 395.09,133.21 395.09,116.98 v1(398.4,113.67)
